# Altium PCB PCB.PcbDoc (part 2 of 2)
Units mil, origin at the board's own origin, x right, y up, seen from the top; angles counter-clockwise.
Board outline 2366.65 x 2660 mil, 2 copper layers (Component Side, Solder Side), stack 63.78 mil thick; 114 components, 105 nets, 465 pads, 240 vias.
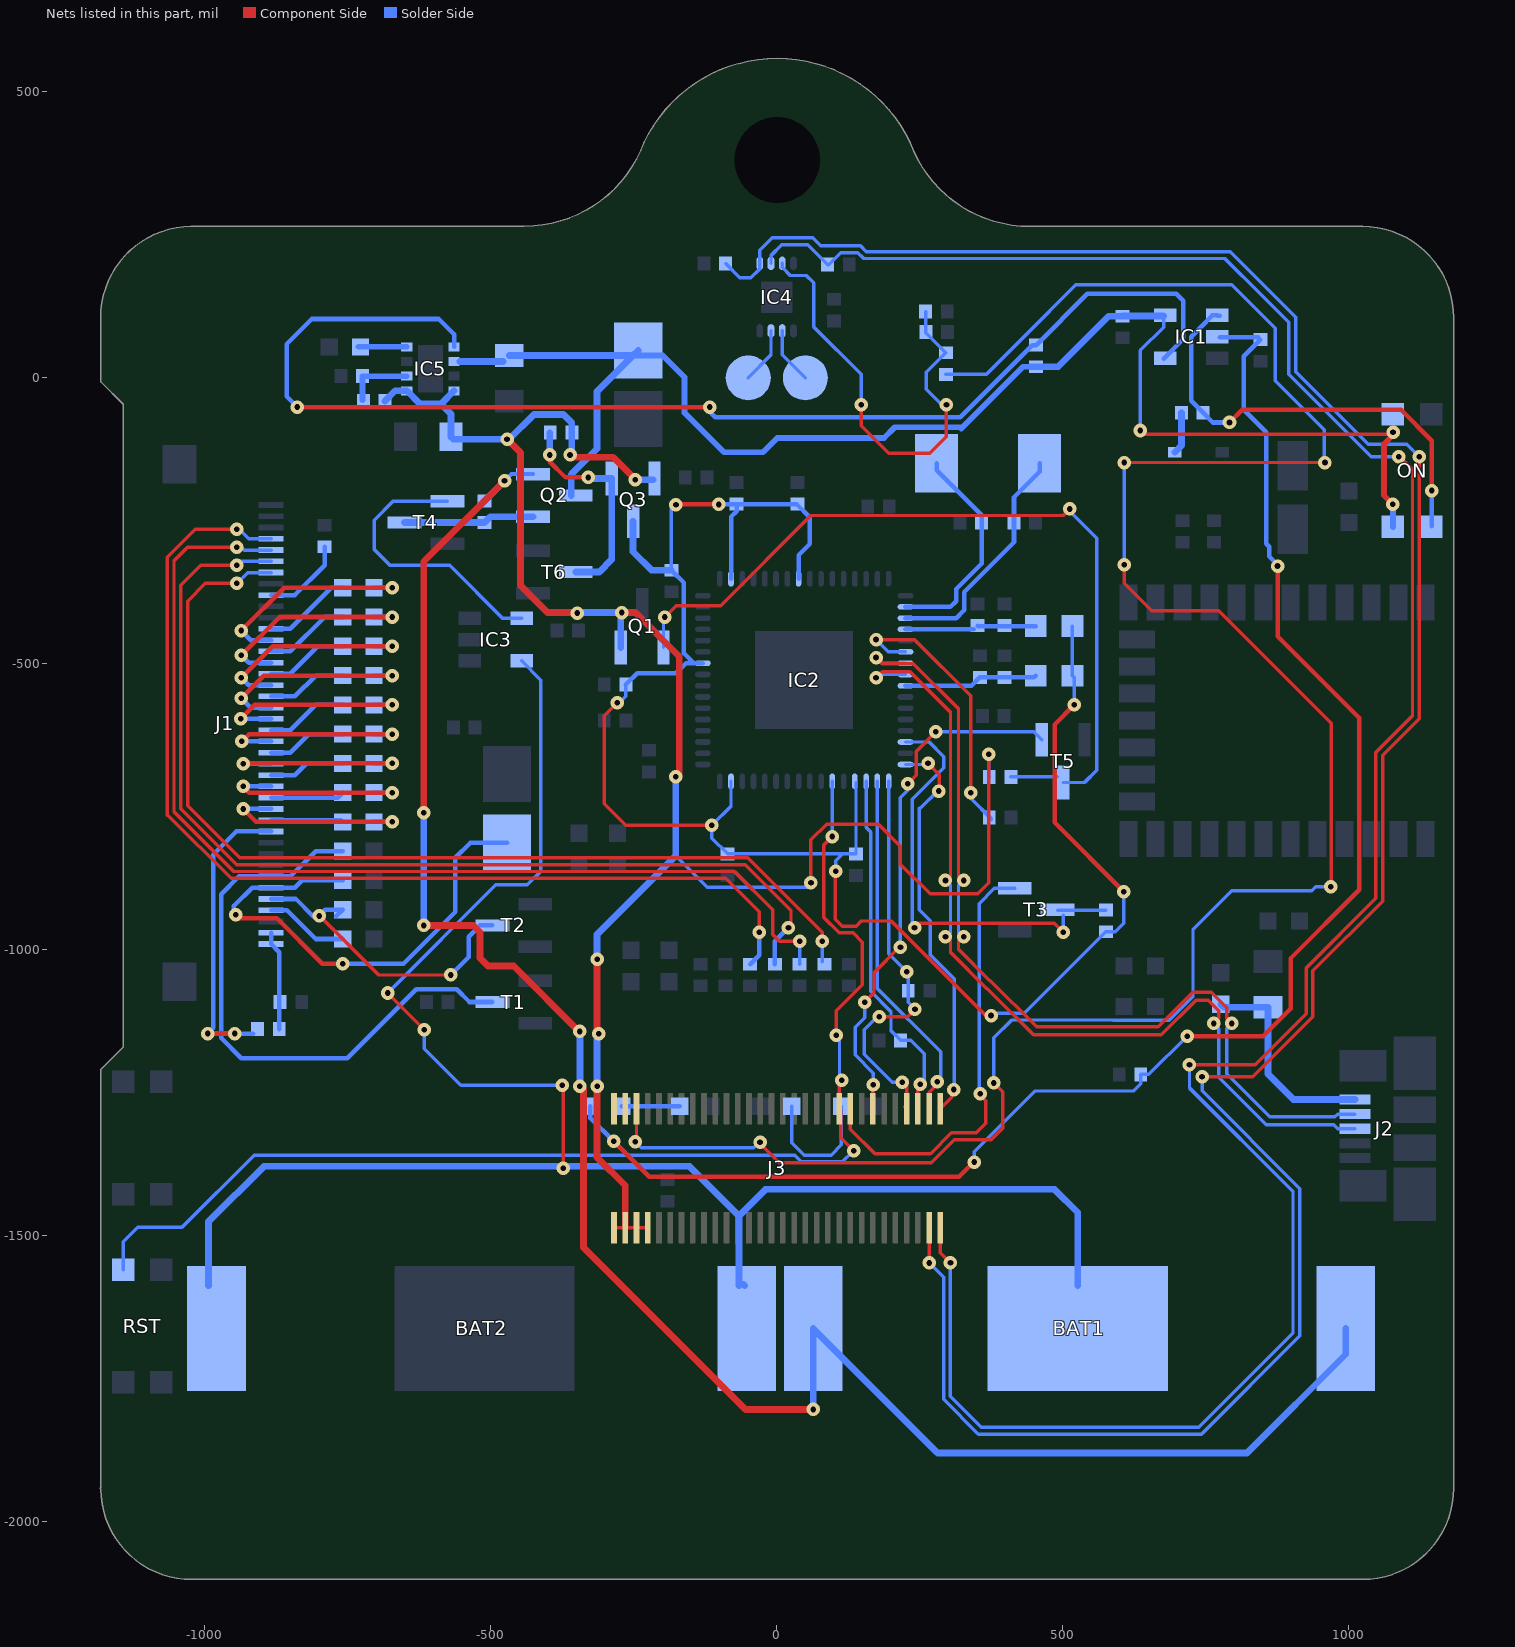
[diagram p2: the nets of this part, all layers, seen from the top]

## Via types
v1: diameter 23.62, hole 9.84, Component Side to Solder Side, 148 vias
v2: diameter 23.62, hole 9.84, Component Side to Solder Side, tented both sides, 92 vias

## Nets (pads, with @x,y where several pads share a name; then routed paths per layer and width w, separated by ;. In a path a pad name is that pad's centre, name@x,y a point inside that pad or via, vN(x,y) a via of type N, cw(c..) or ccw(c..) an arc to the next point about the centre after c; other vN are vias at no path point) (continued)
GPIO20: J3.6 R14.1 | length 3945.2
  Component Side w5.98: v1(-247,-1336) -245.06,-1334.06 J3.6@-245.06,-1277.75 ; v1@-31,-1337 4.28,-1372.28 270.72,-1372.28 310.71,-1332.29 375.71,-1332.29 395.72,-1312.28 395.72,-1248.72 v1(380,-1233) v1@380,-1241 ; v1(608,-327) 608,-359 656,-407 773,-407 970,-604 970,-889 v1(969,-890) ; v1(608,-148) v1(959,-148)
  Solder Side w5.98: v1(-247,-1336) -237,-1346 -40,-1346 v1@-31,-1337 ; R14.1@296,6.1 367.1,6.1 432.65,71.65 432.65,72.28 523.37,163 796.19,163 872.11,87.08 872.11,-4.92 958,-90.81 v1@958,-147 ; v1(380,-1233) 380,-1153.86 411,-1122.86 588.32,-1122.86 588.67,-1123.21 686.97,-1123.21 728.11,-1082.08 728.11,-964.89 796,-897 936,-897 943,-890 v1(969,-890) v1@970,-891 ; v1(608,-327) v1(608,-148)
  other v1: -29.03,-1337
GPIO21: J3.4
GPIO22: J3.2
NetA1_1: A1.1 IC4.2 | length 99
  Solder Side w5.98: IC4.2@9.84,82.16 9.84,40.55 A1.1@50.39,0
NetA1_2: A1.2 IC4.3 | length 98.6
  Solder Side w5.98: A1.2@-49.61,0 -49.61,0.39 -9.84,40.16 IC4.3@-9.84,82.16
NetC1_2: C1.2 J1.9 | length 147.5
  Solder Side w7.87: J1.9@-884,-379.81 -842.48,-379.81 -790.34,-327.66 C1.2@-790.34,-295.38
NetC2_1: C2.1 J1.13 | length 385.2
  Component Side w8: v2(-936.01,-441.83) -861.2,-367.03 v2(-672.23,-367.03)
  Solder Side w8: v2(-936.01,-441.83) -919.3,-458.55 J1.13@-884,-458.55 ; C2.1@-703.78,-367.03 v2(-672.23,-367.03)
NetC2_2: C2.2 J1.12 | length 155
  Solder Side w8: J1.12@-884,-438.86 -850.36,-438.86 -778.53,-367.03 C2.2@-758.78,-367.03
NetC3_1: C3.1 J1.15 | length 380.4
  Component Side w8: v2(-936.01,-485.14) -869.08,-418.21 v2(-672.23,-418.21)
  Solder Side w8: v2(-936.01,-485.14) -923.23,-497.92 J1.15@-884,-497.92 ; C3.1@-703.78,-418.21 v2(-672.23,-418.21)
NetC3_2: C3.2 J1.14 | length 150.1
  Solder Side w8: J1.14@-884,-478.23 -850.36,-478.23 -790.34,-418.21 C3.2@-758.78,-418.21
NetC4_1: C4.1 J1.17 | length 375.5
  Component Side w8: v2(-936.01,-524.51) -880.89,-469.39 v2(-672.23,-469.39)
  Solder Side w8: v2(-936.01,-524.51) -923.23,-537.29 J1.17@-884,-537.29 ; C4.1@-703.78,-469.39 v2(-672.23,-469.39)
NetC4_2: C4.2 J1.16 | length 145.2
  Solder Side w8: J1.16@-884,-517.6 -850.36,-517.6 -802.15,-469.39 C4.2@-758.78,-469.39
NetC5_1: C5.1 J1.19 | length 370.6
  Component Side w8: v2(-936.01,-559.94) -896.63,-520.57 v2(-672.23,-520.57)
  Solder Side w8: v2(-936.01,-559.94) -919.3,-576.66 J1.19@-884,-576.66 ; C5.1@-703.78,-520.57 v2(-672.23,-520.57)
NetC5_2: C5.2 J1.18 | length 140.3
  Solder Side w8: J1.18@-884,-556.97 -842.48,-556.97 -806.09,-520.57 C5.2@-758.78,-520.57
NetC6_1: C6.1 J1.20 | length 359.5
  Component Side w8: v2(-936.97,-596.34) -912.39,-571.76 v2(-672.23,-571.76)
  Solder Side w8: v2(-936.97,-596.34) J1.20@-884,-596.34 ; C6.1@-703.78,-571.76 v2(-672.23,-571.76)
NetC6_2: C6.2 J1.21 | length 143.6
  Solder Side w8: J1.21@-884,-616.03 -850.36,-616.03 -806.09,-571.76 C6.2@-758.78,-571.76
NetC7_1: C7.1 J1.22 | length 350.7
  Component Side w8: v2(-935.04,-635.71) -922.27,-622.94 v2(-672.23,-622.94)
  Solder Side w8: v2(-935.04,-635.71) J1.22@-884,-635.71 ; C7.1@-703.78,-622.94 v2(-672.23,-622.94)
NetC7_2: C7.2 J1.23 | length 138.7
  Solder Side w8: J1.23@-884,-655.4 -850.36,-655.4 -817.9,-622.94 C7.2@-758.78,-622.94
NetC8_1: C8.1 J1.24 | length 341.8
  Component Side w8: v2(-933.04,-675.08) -932.07,-674.12 v2(-672.23,-674.12)
  Solder Side w8: v2(-933.04,-675.08) J1.24@-884,-675.08 ; C8.1@-703.78,-674.12 v2(-672.23,-674.12)
NetC8_2: C8.2 J1.25 | length 133.8
  Solder Side w8: J1.25@-884,-694.77 -842.48,-694.77 -821.83,-674.12 C8.2@-758.78,-674.12
NetC9_1: C9.1 J1.26 | length 345.9
  Component Side w8: v2(-933.04,-714.45) -922.19,-725.3 v2(-672.23,-725.3)
  Solder Side w8: v2(-933.04,-714.45) J1.26@-884,-714.45 ; C9.1@-703.78,-725.3 v2(-672.23,-725.3)
NetC9_2: C9.2 J1.27 | length 128.9
  Solder Side w8: J1.27@-884,-734.14 -767.62,-734.14 C9.2@-758.78,-725.3
NetC10_1: C10.1 J1.28 | length 350.8
  Component Side w8: v2(-933.04,-753.82) -910.38,-776.48 v2(-672.23,-776.48)
  Solder Side w8: v2(-933.04,-753.82) J1.28@-884,-753.82 ; C10.1@-703.78,-776.48 v2(-672.23,-776.48)
NetC10_2: C10.2 J1.29 | length 122.2
  Solder Side w8: J1.29@-884,-773.51 C10.2@-761.76,-773.51
NetC11_2: C11.2 J1.39 J1.40 R1.1 | length 174.2
  Solder Side w8: J1.39@-884,-970.36 J1.40@-884,-990.04 -869.87,-1004.18 R1.1@-869.87,-1138.69
NetC17_2: C17.2 IC5.8 | length 84.6
  Solder Side w10: C17.2@-731.22,54.23 IC5.8@-646.64,54.23
NetC33_2: C33.2 C34.2 IC2.9 L1.2 | length 235.1
  Solder Side w8: IC2.9@225.41,-538.29 340.76,-538.29 C34.2@355.33,-523.72 C33.2@398.64,-523.72 450.02,-523.72 L1.2@453.17,-520.57
NetC36_1: C36.1 J2.1 L2.2 | length 372.1
  Solder Side w11.81: C36.1@776.59,-1095.32 781.85,-1100.57 L2.2@859.27,-1100.57 859.27,-1217.43 903.66,-1261.82 J2.1@1011.28,-1261.82
NetC37_2: C37.2 C38.2 IC2.4 L3.2 | length 221.4
  Solder Side w8: IC2.4@225.41,-439.87 C37.2@344.7,-439.87 ; C37.2@351.39,-433.17 352.18,-433.96 L3.2@453.17,-433.96
NetC41_2: C41.2 IC2.2 Y1.2 | length 384.8
  Solder Side w8: IC2.2@225.41,-400.5 304.02,-400.5 313.87,-390.65 313.87,-369.15 358.48,-324.53 C41.2@358.48,-252.86 358.48,-240.26 279.82,-161.6 Y1.2@279.82,-149.43
NetC42_2: C42.2 IC2.3 Y1.1 | length 419.7
  Solder Side w8: IC2.3@225.41,-420.18 313.99,-420.18 327.77,-406.4 327.77,-374.91 415.17,-287.5 C42.2@415.17,-252.86 415.17,-208.76 459.82,-164.12 Y1.1@459.82,-149.43
NetD3_C: D3.C R29.2 | length 73.8
  Solder Side w11.81: D3.C@696.46,-130 708.1,-118.36 R29.2@708.1,-61
NetIC2_6: IC2.6 R19.2 | length 498.4
  Component Side w5.98: v2(173.91,-457.58) 241.16,-457.58 339.58,-556.01 v2(339.58,-725.3)
  Solder Side w5.98: v2(173.91,-457.58) 195.57,-479.24 IC2.6@225.41,-479.24 ; v2(339.58,-725.3) 339.58,-735.14 375.8,-771.36 R19.2@375.8,-772.54
NetIC2_14: IC2.14 R18.2 T3.3 | length 793.7
  Component Side w5.98: v1@245.09,-953.65 241.16,-957.58 v1(241.16,-961.52) 249.03,-953.65 485.25,-953.65 v2(501,-969.39)
  Solder Side w5.98: IC2.14@225.41,-636.72 266.75,-636.72 292.34,-662.31 292.34,-681.99 237.22,-737.11 237.22,-957.58 v1(241.16,-961.52) ; T3.3@491.94,-930.81 R18.2@575.8,-930.81 ; v2(501,-969.39) T3.3@501,-939.87
NetIC3_4: IC3.4 T4.1 | length 500.6
  Solder Side w6.3: T4.1@-575.77,-215.46 -670.26,-215.46 -703.72,-248.92 -703.72,-300.1 -676.17,-327.66 -571.83,-327.66 -479.31,-420.18 IC3.4@-445.85,-420.18
NetIC5_6: IC5.6 R11.1 R12.1 | length 119.3
  Solder Side w10: R11.1@-724.2,-38.68 R12.1@-724.2,3.05 IC5.6@-646.64,3.05
NetJ1_30: J1.30 R1.2 | length 514.5
  Component Side w7.87: v2(-995.06,-1146.56) v2@-987.19,-1146.56
  Component Side w8: v2@-987.19,-1146.56 v2(-947.82,-1146.56)
  Solder Side w7.87: v2(-995.06,-1146.56) -985.28,-1136.78 -985.28,-833.63 -944.85,-793.19 J1.30@-884,-793.19 ; v2(-947.82,-1146.56) R1.2@-915.53,-1146.56
NetQ1_1: Q1.1 R30.2 T5.3 | length 1466.6
  Component Side w5.98: v1(-195.85,-418.21) -175.78,-398.15 -97.96,-398.15 59.53,-240.65 501.39,-240.65 v1(512.81,-229.24)
  Solder Side w5.98: Q1.1@-197.82,-471.36 -197.82,-420.18 v1(-195.85,-418.21) ; R30.2@409.66,-697.74 T5.3@491.16,-697.74 ; T5.3@501,-707.58 538.4,-707.58 559.98,-686.01 559.98,-280.34 512.81,-233.17 v1(512.81,-229.24)
NetQ2_1: Q2.1 R27.1 T4.3 | length 228.5
  Solder Side w11.81: T4.3@-650.57,-252.86 R27.1@-510.81,-252.86 -500.97,-243.02 Q2.1@-426.17,-243.02
NetQ3_1: Q3.1 R36.1 T6.3 | length 384.6
  Component Side w8: v1(-396.64,-134.75) -396.64,-146.56 -369.08,-174.12 v1(-329.71,-174.12)
  Solder Side w11.81: v1(-396.64,-134.75) R36.1@-396.64,-96.17 ; T6.3@-351.36,-339.47 -310.02,-339.47 -288.37,-317.82 Q3.1@-288.37,-176.09 -327.74,-176.09 v1(-329.71,-174.12)
NetR20_1: R20.1 USB.A | length 234.3
  Solder Side w5.98: USB.A@26.59,-1273.81 26.59,-1337.5 48.24,-1359.16 95.49,-1359.16 113.32,-1341.32 R20.1@113.32,-1273.81
NetR39_1: R39.1 SYS.A | length 101
  Solder Side w7.87: R39.1@-270.5,-1273.81 SYS.A@-169.5,-1273.81
NFC_INT: IC4.7 R14.2 R28.2 R31.1 | length 809.2
  Component Side w5.98: v1(148,-47) 148,-84 196,-132 268,-132 297,-103 v1(297,-47)
  Solder Side w5.98: IC4.7@9.84,200.27 9.84,193.12 23.96,179 52,179 65,166 65,89 148,6 v1(148,-47) ; R31.1@260.5,116.1 261.1,115.5 R28.2@261.1,80 261.1,78.8 R14.2@296,43.9 262,9.9 262,-20 293,-51 v1(297,-47)
ON/OFF: IC1.1 ON.2 R29.1 | length 795.6
  Component Side w8: v1(792,-78) 814,-56 1092,-56 1146,-110 v1(1146,-197)
  Solder Side w8: IC1.1@770.28,108.4 IC1.1@775.21,108.4 ; IC1.1@770.28,109.4 762.17,109.4 740.68,87.91 740.68,87.68 725,72 725,-40.1 R29.1@745.9,-61 762.9,-78 v1(792,-78) ; ON.2@1146,-259.43 v1(1146,-197)
PMU_OUT0: J3.44 T3.2 | length 772.8
  Component Side w5.98: J3.44@128.95,-1277.75 128.95,-1313.88 172.07,-1357 269.19,-1357 305.78,-1320.4 348.78,-1320.4 366,-1303.19 366,-1264 356,-1254 v1(356,-1252)
  Solder Side w5.98: v1@354.24,-1250.24 354.24,-919.3 380.92,-892.62 T3.2@416.35,-892.62
PMU_OUT1: J3.48 T5.1 | length 925.7
  Component Side w5.98: v1(154,-1092) 170.37,-1075.63 170.37,-1040.18 214.62,-995.93 v1(216.59,-995.93) ; v1(169,-1236) 168.32,-1236.68 J3.48@168.32,-1277.75 J3.48@170.37,-1275.7 ; v1(229.35,-709.55) 244.07,-694.83 244.07,-653.41 v1@278.38,-619.1
  Solder Side w5.98: v1(154,-1092) 154,-1119 137.18,-1135.82 137.18,-1184 169,-1215.81 v1(169,-1236) ; v1(216.59,-995.93) 216.51,-995.93 216.51,-734.2 229.35,-721.36 v1(229.35,-709.55) ; v1(278.38,-619.06) 449.88,-619.06 T5.1@463.6,-632.78
PWR_EN: IC1.4 IC5.1 R38.1 | length 2233.4
  Component Side w8: v1(-838,-51) v1(-117,-51)
  Solder Side w8: v1(-838,-51) -857,-32 -857,59 -813,103 -591,103 -563.96,75.96 IC5.1@-563.96,54.23 ; v1(-117,-51) -117,-59 -107,-69 321,-69 447.38,57.38 R38.1@453.76,57.38 543.38,147 699.21,147 711.09,135.12 711.09,67.91 IC1.4@676.79,33.6
RESET: J1.7 R7.2 | length 1778.3
  Component Side w5.98: v2(-943.88,-359.16) -999,-359.16 -1030.1,-390.26 -1030.1,-748.53 -939.16,-839.47 -50.18,-839.47 79.74,-969.39 v2(79.74,-985.14)
  Solder Side w5.98: v2(-943.88,-359.16) -925.16,-340.44 J1.7@-884,-340.44 ; R7.2@79.74,-1021.36 v2(79.74,-985.14)
SCL: IC4.6 J3.59 R33.1 | length 4183.7
  Component Side w5.98: J3.59@286.43,-1486.49 286.43,-1529.57 v1(304,-1547.13) ; v1(722,-1201) 837,-1201 926,-1112 926,-1032 1047.89,-910.11 1047.89,-655.11 1112,-591 1112,-160 v1@1088,-136
  Solder Side w5.98: IC4.6@-9.84,200.27 -9.84,214.05 9.1,233 54.1,233 R33.1@89.1,198 90.89,198 111.99,219.1 141.8,219.1 152.12,208.79 784.03,208.79 846.81,146 847,146 895.89,97.11 895.89,6.11 1040,-138 v1(1088,-138) ; v1(304,-1547.13) 304,-1781.19 357.92,-1835.11 738.08,-1835.11 903.11,-1670.08 903.11,-1422.92 722,-1241.81 v1(722,-1201)
SCLK: J1.4 R4.2 | length 1868.7
  Component Side w5.98: v2@-947.82,-260.73 v2(-943.88,-264.67) -1016.55,-264.67 -1065.77,-313.89 -1065.77,-764.67 -1064.4,-764.67 -953.93,-875.14 -89.31,-875.14 -30.5,-933.96 v2(-30.5,-969.39)
  Solder Side w5.98: v2(-943.88,-264.67) -939.95,-264.67 -923.23,-281.38 J1.4@-884,-281.38
  Solder Side w8: R4.2@-46.24,-1025.3 -30.5,-1009.55 v2(-30.5,-969.39)
SDA: IC4.5 J3.57 R32.1 | length 4332.8
  Component Side w5.98: v1(266.75,-1547.75) J3.57@266.75,-1486.49 ; v1(744,-1222) 832.81,-1222 937.89,-1116.92 937.89,-1036.92 1059.78,-915.04 1059.78,-660.19 1124,-595.97 v1(1124,-138)
  Solder Side w5.98: R32.1@-89.1,200 -64.1,175 -45,175 -29.53,190.47 IC4.5@-29.53,200.27 -29.53,223.47 -8,245 4.07,245 4.18,244.89 63.11,244.89 77.01,230.99 146.73,230.99 157.04,220.68 793.14,220.68 907.78,106.04 907.78,11.04 1034.81,-116 1102,-116 v1(1124,-138) ; v1(266.75,-1547.75) 292.03,-1573.03 292.03,-1786.03 353,-1847 743,-1847 915,-1675 915,-1418 744,-1247 v1(744,-1222)
SI: J1.5 R6.2 | length 1874
  Component Side w5.98: v2(-943.88,-296.16) -1030.26,-296.16 -1053.88,-319.79 -1053.88,-758.38 -949.01,-863.25 -73.65,-863.25 -6.87,-930.02 -6.87,-973.33 4.94,-985.14 v2(40.37,-985.14)
  Solder Side w5.98: v2(-943.88,-296.16) -936.01,-296.16 -931.11,-301.07 J1.5@-884,-301.07 ; R6.2@40.37,-1025.3 v2(40.37,-985.14)
SO: J1.6 R5.2 | length 1817.2
  Component Side w5.98: v2@-947.82,-323.72 v2(-943.88,-327.66) -1006.87,-327.66 -1041.99,-362.78 -1041.99,-753.45 -944.08,-851.36 -55.11,-851.36 24.62,-931.09 ; v2(20.69,-961.52) 25.11,-957.1 25.11,-931.57
  Solder Side w5.98: v2(-943.88,-327.66) -936.97,-320.75 J1.6@-884,-320.75
  Solder Side w8: R5.2@-2.94,-1025.3 -2.94,-985.14 v2(20.69,-961.52)
SOM_JTAG_TCK: IC2.16 J3.60 | length 704.7
  Component Side w5.98: v2(264.78,-674.12) 284.46,-693.8 284.46,-721.36 v2(283.36,-722.47) ; J3.60@286.43,-1277.75 306,-1258.18 306,-1251 309.48,-1247.52 v1(309.48,-1244.48)
  Solder Side w5.98: IC2.16@225.41,-676.09 262.81,-676.09 v2(264.78,-674.12) ; v2(283.36,-722.47) 281.63,-722.47 251.32,-752.78 249.11,-752.78 249.11,-930.02 268.72,-949.63 268.72,-1008.76 311,-1051.05 311,-1242.95 v1(309.48,-1244.48)
SOM_JTAG_TDI: IC2.17 J3.54 R17.2 | length 715
  Component Side w5.98: v1(179.19,-1116.95) 229.05,-1116.95 v1(242,-1104) ; v1(220,-1232) 227.38,-1239.38 J3.54@227.38,-1277.75 J3.54@224.39,-1274.75 ; v2@224.39,-1041.28 v2(227.38,-1038.29)
  Solder Side w5.98: v1(179.19,-1116.95) 175.24,-1113 175.24,-1117.76 153,-1140 153,-1183 202,-1232 v1(220,-1232) ; IC2.17@195.88,-705.61 195.88,-1006.8 v2(227.38,-1038.29) 230.13,-1041.05 R17.2@230.13,-1071.76 230.13,-1092.13 v1(242,-1104)
SOM_JTAG_TDO: IC2.18 J3.58 | length 628.1
  Component Side w6: J3.58@266.75,-1277.75 266.75,-1249.25 283,-1233 v1(281,-1231)
  Solder Side w6: IC2.18@176.2,-705.61 176.2,-1067.82 287,-1178.62 287,-1225 v1(281,-1231)
SOM_JTAG_TMS: IC2.19 J3.56 R16.2 | length 632
  Component Side w6: J3.56@247.06,-1277.75 247.06,-1238.94 v1(251,-1235)
  Solder Side w6: IC2.19@156.51,-705.61 156.51,-786.32 164.29,-794.1 164.29,-1072.75 200,-1108.46 200,-1141.62 R16.2@216.75,-1158.37 234.37,-1158.37 258,-1182 258,-1228 v1(251,-1235) v1@254,-1235
SOM_RST: IC2.22 J3.42 RST.2 | length 2151.3
  Component Side w5.98: v2@102.34,-806.95 v2(97.46,-802.07) 82.65,-816.87 82.65,-943.61 109.54,-970.5 133.75,-970.5 150,-986.74 150,-1061 104.58,-1106.42 v1(104.58,-1149.62) ; v1(114,-1228) 114,-1232 109.27,-1236.73 J3.42@109.27,-1277.75 112.32,-1280.8 112.32,-1328.75 v1(134.86,-1351.28)
  Solder Side w5.98: RST.2@-1142.7,-1559.95 -1142.7,-1510.73 -1117.11,-1485.14 -1039.81,-1485.14 -913.83,-1359.16 31.43,-1359.16 43.32,-1371.05 115.09,-1371.05 v1(134.86,-1351.28) ; v2(97.46,-802.07) IC2.22@97.46,-705.61 ; v1(104.58,-1149.62) 105.62,-1149.62 110,-1154 110,-1232 112,-1234 114,-1232 v1(114,-1228)
SYS_ON: IC1.2 R15.2 R35.2 R39.2 | length 2811.2
  Component Side w7.87: v1(-285,-1335) -223,-1397 319,-1397 344.71,-1371.29 v1(345.47,-1371.29) ; v1(718,-1151) 851,-1151 898.72,-1103.28 898.72,-1015.32 1018.72,-895.32 1018.72,-594.76 876,-452.04 v1(876,-329)
  Solder Side w5.91: v1(345.47,-1371.29) 345.47,-1353.3 451.62,-1247.15 624,-1247.15 636.9,-1234.25 R15.2@636.9,-1218 651,-1218 v1(718,-1151)
  Solder Side w7.87: R39.2@-325.5,-1273.81 -325.5,-1294.5 v1(-285,-1335) ; IC1.2@775.21,71 R35.2@841.9,71 ; R35.2@846,66.9 817,37.9 817,-56 856,-95 856,-289.83 861.24,-295.07 861.24,-312.24 876,-327 v1(876,-329)
USB_D_N: IC2.7 J2.2 | length 1614.1
  Component Side w5.98: v2(173.91,-489.08) 184.64,-499.81 239.07,-499.81 318.13,-578.86 318.13,-870.02 v2(326.94,-878.84) ; v2(326.94,-977.27) 318.13,-986.09 318.13,-999 373.03,-1053.91 373.91,-1053.91 455.02,-1135.02 667.03,-1135.02 727.57,-1074.48 760.27,-1074.48 787,-1101.21 787,-1120.18 v1(795.82,-1129)
  Solder Side w5.98: v2(173.91,-489.08) 183.76,-498.92 IC2.7@225.41,-498.92 ; v2(326.94,-977.27) 326,-977.27 318.13,-969.39 318.13,-887.66 v2(326.94,-878.84) ; v1(795.82,-1129) 787,-1137.82 787,-1217 862.13,-1292.13 976.31,-1292.13 981.03,-1287.41 J2.2@1011.28,-1287.41
USB_D_P: IC2.8 J2.3 | length 1606.9
  Component Side w5.98: v2(173.91,-524.51) 184.64,-513.78 233.28,-513.78 304.15,-584.65 304.15,-870.02 v2(295.33,-878.84) ; v2(295.33,-977.27) 304.15,-986.09 304.15,-1004.79 367.24,-1067.88 368.12,-1067.88 449.23,-1149 672.81,-1149 733.36,-1088.45 754.48,-1088.45 773.02,-1107 773.02,-1120.18 v1(764.2,-1129)
  Solder Side w5.98: v2@177.97,-518.61 IC2.8@225.41,-518.61 ; v2(295.33,-977.27) 296.28,-977.27 304.15,-969.39 304.15,-887.66 v2(295.33,-878.84) ; v1(764.2,-1129) 773.02,-1137.82 773.02,-1222.79 856.34,-1306.11 974.14,-1306.11 981.03,-1313 J2.3@1011.28,-1313
VBAT: BAT1.+ Q2.2 R27.2 | length 3496.4
  Component Side w11.81: v2(-617.11,-957.58) -530.5,-957.58 -518.68,-969.39 -518.68,-1014.61 -504.85,-1028.45 -459.63,-1028.45 v1@-344.54,-1143.54 ; v2(-617.11,-760.73) -617.11,-321.36 v2(-475.77,-180.02) ; v1(-344,-1239) -342,-1239 -337.58,-1243.42 -337.58,-1520.58 -54.12,-1804.04 v1(63.99,-1804.04)
  Solder Side w7: v2(-475.77,-180.02) -463.96,-168.21 Q2.2@-426.17,-168.21
  Solder Side w11.81: v2(-617.11,-957.58) v2(-617.11,-760.73) ; R27.2@-510.81,-215.06 v2(-475.77,-180.02) ; v1(-344,-1239) v1(-344,-1143) ; v1(63.99,-1804.04) BAT1.+@63.99,-1662.31 281.69,-1880 822.68,-1880 995.29,-1707.39 BAT1.+@995.29,-1662.31
VBAT/2: BAT1.- BAT2.+ IC3.5 | length 3273.4
  Component Side w5.98: v1(-680.1,-1075.69) -680.1,-1075.9 v1(-616,-1140) ; v1(-375,-1237) -373,-1239 v1(-373,-1382) v1@-374,-1381
  Solder Side w5.91: v1(-616,-1140) -616,-1173 -552,-1237 v1(-375,-1237)
  Solder Side w5.98: v1(-680.1,-1075.69) -491.13,-886.72 -435.85,-886.72 -412.39,-863.25 -412.39,-528.45 IC3.5@-445.85,-494.98
  Solder Side w11.81: BAT2.+@-993.29,-1587.5 -993.29,-1475.5 -896.64,-1378.84 -152.54,-1378.84 -65.93,-1465.46 ; BAT2.+@-65.93,-1587.5 -65.93,-1465.46 ; BAT2.+@-58.06,-1585.34 BAT2.+@-55.89,-1587.5 ; BAT1.-@526.59,-1587.5 526.59,-1459.55 486.04,-1419 -19.47,-1419 -65.93,-1465.46
VBAT_M: C16.2 C21.2 D2.C IC1.5 IC5.2 ON.1 ON.3 Q2.3 R38.2 | length 2571.3
  Component Side w6.14: v1(636,-92) 642.79,-98.79 1074.21,-98.79 v1(1078,-95)
  Component Side w10: v1(1077.77,-221.23) 1062,-205.46 1062,-116.1 1078,-100.1 v1(1078,-95)
  Solder Side w5.91: v1(636,-92) 636,48 676.79,88.79 IC1.5@676.79,108.4
  Solder Side w10: D2.C@-250.93,39.11 -199.11,39.11 -161,1 -161,-61 -92,-130 -24,-130 1,-105 187.87,-105 206.59,-86.28 320.67,-86.28 322.82,-88.43 430.84,19.58 R38.2@443.91,19.58 ; ON.1@1077.77,-260.73 v1(1077.77,-221.23)
  Solder Side w11.81: -554,28.64 C16.2@-477.98,28.64 ; C16.2@-467.5,39.11 D2.C@-250.93,39.11 ; Q2.3@-359.24,-205.61 -359.24,-169.2 -314,-123.96 -314,-23.96 D2.C@-250.93,39.11 ; D2.C@-242,48.04 D2.C@-250.93,39.11 ; R38.2@443.91,19.58 R38.2@453.76,19.58 492.58,19.58 580.9,107.9 C21.2@605,107.9 ; C21.2@605.5,108.4 IC1.5@676.79,108.4
VCC: C18.2 IC5.4 IC5.5 J3.1 J3.3 J3.5 J3.7 Q1.2 Q3.2 R11.2 R30.1 R36.2 | length 3464.8
  Component Side w5.98: J3.1@-284.43,-1486.49 J3.3@-264.75,-1486.49 J3.5@-245.06,-1486.49 J3.7@-225.38,-1486.49 ; v1(60.06,-882.78) 60.06,-807.97 87.61,-780.42 178.17,-780.42 216.51,-818.76 216.51,-850.26 268.72,-902.46 351.39,-902.46 371.08,-882.78 v1(371.08,-658.37)
  Component Side w11.81: v1(-471.44,-107.19) -447.82,-130.81 -447.82,-363.09 -400.57,-410.34 v1@-350.17,-410.34 ; v1(-361.2,-134.75) -361.2,-138.68 -286.4,-138.68 v1(-247.03,-178.06) ; v1@-350.17,-411.17 v1(-348.5,-411.17) ; v1(-313.96,-1239.04) -313.96,-1363.1 -264.75,-1412.31 J3.3@-264.75,-1486.49 ; v1(-313.96,-1016.64) -313.96,-1144.04 v1(-311,-1147) ; v1(-270.65,-410.34) -247.03,-410.34 -170.26,-487.11 -170.26,-691.83 v1(-176.17,-697.74)
  Solder Side w5.98: -176.17,-835.54 -121.05,-890.65 v1@60.06,-890.65 ; v1(371.08,-658.37) 371.08,-696.95 R30.1@371.87,-697.74
  Solder Side w11.81: R11.2@-684.83,-40.26 -667.11,-22.54 IC5.5@-646.64,-22.54 -623.61,-45.57 -586.99,-45.57 ; IC5.4@-563.96,-22.54 -586.99,-45.57 ; v1(-361.2,-134.75) -358.06,-131.6 R36.2@-358.06,-95.38 -358.06,-78.84 -373.02,-63.88 -424.2,-63.88 -467.5,-107.19 v1(-471.44,-107.19) -565.3,-107.19 C18.2@-569.24,-103.25 -569.24,-63.33 -586.99,-45.57 ; v1(-348.5,-411.17) -347.67,-410.34 v1(-270.65,-410.34) ; v1(-313.96,-1239.04) -313.96,-1149.96 v1(-311,-1147) ; v1(-313.96,-1016.64) -313.96,-973.33 -176.17,-835.54 v1(-176.17,-697.74) ; Q1.2@-272.62,-471.36 v1@-272.62,-412.31 ; v1(-247.03,-178.06) Q3.2@-215.54,-178.06
VCC_FT: C25.2 C26.2 C27.2 C28.2 C29.2 C44.2 IC2.50 IC2.VCCIO L1.1 L3.1 Q3.3 R18.1 | length 3359.6
  Component Side w5.98: v1(-278.53,-567.82) -301.63,-590.92 -301.63,-744.44 -263.44,-782.63 v1(-113.17,-782.63) ; v1(103.36,-863.09) 102.34,-864.12 102.34,-946.48 114.47,-958.61 139,-958.61 147.81,-949.79 200.14,-949.79 365.42,-1115.06 v1(375.02,-1115.06)
  Component Side w7.87: v1(-176,-222) -175.36,-221.36 v1(-101.36,-221.36) ; v1(520.68,-571.76) 486.27,-606.17 486.27,-777.5 v1(607.3,-898.53)
  Solder Side w5.91: C44.2@-184.04,-336.32 -184.04,-230.04 v1(-176,-222)
  Solder Side w5.98: v1(-278.53,-567.82) -274.59,-567.82 -263.57,-556.8 C28.2@-263.57,-536.32 ; IC2.VCCIO@-79.71,-705.61 -79.71,-749.16 v1(-113.17,-782.63) -113.17,-804.83 C25.2@-85.61,-832.39 115.17,-832.39 ; v1(103.36,-863.09) 103.36,-844.2 115.17,-832.39 ; IC2.VCCIO@138.8,-707.58 C27.2@138.8,-832.39 115.17,-832.39 ; v1(375.02,-1115.06) 379.11,-1110.97 433.44,-1110.97 R18.1@575.8,-968.61 592.34,-968.61 607.3,-953.65 v1(607.3,-898.53) ; L3.1@517.34,-433.96 L1.1@517.34,-520.57 520.68,-523.92 v1(520.68,-571.76)
  Solder Side w7.87: C28.2@-263.57,-536.32 -243.88,-516.64 -176.17,-516.64 -158.45,-498.92 -144.67,-498.92 ; C44.2@-184.04,-336.32 -161.99,-358.37 -161.99,-389.42 ; -162,-389.42 -162,-481.59 -144.67,-498.92 ; IC2.VCCIO@-128.92,-498.92 -144.67,-498.92 ; v1(-101.36,-221.36) C29.2@-69.87,-221.36 ; IC2.50@-79.71,-351.28 -79.71,-243.02 -69.87,-233.17 C29.2@-69.87,-221.36 ; C29.2@-69.87,-220.57 C29.2@-69.87,-221.36 ; IC2.VCCIO@38.4,-351.28 38.4,-309.94 57.92,-290.42 57.92,-243.64 35.65,-221.36 C29.2@-69.87,-221.36
  Solder Side w11.81: Q3.3@-250.97,-250.89 -250.97,-304.04 -218.68,-336.32 C44.2@-184.04,-336.32
VDH: C14.2 J1.36 T2.3 | length 559.9
  Component Side w5.98: v2(-800,-941) -799.05,-941 -695.85,-1044.2 v2(-569.87,-1044.2)
  Solder Side w8: J1.36@-884,-911.3 -840.56,-911.3 -810.86,-941 v2(-800,-941) -789.02,-930.02 C14.2@-758.78,-930.02 C14.2@-769.76,-941 ; v2(-569.87,-1044.2) -538.37,-1012.7 -538.37,-977.27 -518.69,-957.58 T2.3@-497.03,-957.58
VDL: C15.2 J1.37 | length 146
  Solder Side w8: J1.37@-884,-930.99 -856.3,-930.99 -806.09,-981.2 C15.2@-758.78,-981.2
VGH: C12.2 J1.34 T1.3 | length 1043.6
  Solder Side w8: C12.2@-758.78,-827.66 -806.09,-827.66 -850.36,-871.93 J1.34@-884,-871.93 -940.67,-871.93 -971.44,-902.7 -971.44,-1154.43 -936.01,-1189.87 -750.97,-1189.87 -630.43,-1069.33 -559.27,-1069.33 -537.16,-1091.44 T1.3@-497.03,-1091.44
VGL: C13.2 D1.A J1.35 | length 877.8
  Component Side w8: v1(-946,-939) -946,-945 -873.79,-945 -794.28,-1024.51 v2(-758.84,-1024.51)
  Solder Side w8: v1@-949,-932 -949,-923.33 -917.29,-891.62 J1.35@-884,-891.62 -842.48,-891.62 -829.71,-878.84 C13.2@-758.78,-878.84 ; v1(-946,-939) v1@-946,-935 ; v2(-758.84,-1024.51) -652.54,-1024.51 -561.99,-933.96 -561.99,-839.47 -535.42,-812.9 D1.A@-471.44,-812.9
pads on no net: IC2.21 IC2.23 IC2.24 IC2.30 IC2.33 IC2.34 IC2.36 IC2.40 IC2.41 IC2.43 IC2.44 IC2.45 IC2.46 IC2.53 IC2.54 IC2.55 IC2.57 IC2.58 IC2.59 IC2.60 IC2.61 IC2.62 IC2.63 IC3.1 IC4.1 IC4.9 IC5.7 J1.10 J1.11 J1.g1 J1.g2 J2.M J3.17 J3.19 J3.27 J3.29 J3.31 J3.33 J3.35 J3.43 J3.45 J3.47 J3.49 J3.51 M1.2 M1.3 M1.4 M1.7 M1.8 M1.9 M1.10 M1.11 M1.13 M1.14 M1.15 M1.16 M1.17 M1.18 M1.19 M1.25 M1.26 M1.27 M1.28 ON.4 RST.4 WAKE.4

## Polygon pours and split planes (outlines as drawn)
GND on Component Side "Solder Side-No Net" (solid, pour order 12): -1180.1,-1941.83 -1180.1,-1210.5 -1140.73,-1171.13 -1140.73,-45.14 -1180.1,-5.77 -1180.1,105.41 cw(c-1022.62,105.41) -1022.62,262.89 -1022.62,263.38 -440.93,263.38 ccw(c-440.93,487.77) -230.07,411.02 cw(c0.89,300.82) 232.07,410.54 ccw(c442.93,487.28) 442.93,262.89 1024.62,262.89 cw(c1024.62,105.41) 1182.1,105.41 1182.1,-1941.83 cw(c1024.62,-1941.83) 1024.62,-2099.31 -1022.62,-2099.31 cw(c-1022.62,-1941.83)
no net on Top Solder "AntmicroLogo" (solid, pour order 56): 969.64,-1390.11 967.27,-1383.62 965.81,-1376.28 965.31,-1368.2 965.81,-1360.13 967.29,-1352.81 969.68,-1346.35 972.95,-1340.83 977.03,-1336.36 981.89,-1333.05 987.48,-1330.99 993.74,-1330.28 1003.03,-1331.53 1010.19,-1335.02 1007.33,-1342.11 1004.93,-1340.61 1002.11,-1339.45 999.01,-1338.69 995.77,-1338.43 987.99,-1340.66 982.28,-1346.86 978.76,-1356.22 977.56,-1367.94 978.78,-1379.57 982.33,-1388.98 988.05,-1395.28 995.77,-1397.58 998.99,-1397.33 1002.04,-1396.63 1004.81,-1395.51 1007.19,-1394.05 1010.19,-1401.52 1003.03,-1405.02 993.74,-1406.28 987.44,-1405.56 981.84,-1403.49 976.97,-1400.15 972.89,-1395.66
no net on Top Solder "AntmicroLogo" (solid, pour order 51): 659.87,-1393.72 657.98,-1384.11 658.78,-1377.98 661.07,-1372.79 664.74,-1368.47 669.64,-1364.95 675.65,-1362.15 682.65,-1360 690.49,-1358.42 699.04,-1357.33 699.04,-1352.84 698.79,-1349.32 698.03,-1346.32 696.78,-1343.81 695.05,-1341.79 692.84,-1340.24 690.15,-1339.15 687.01,-1338.51 683.41,-1338.3 673.72,-1339.59 665.05,-1342.92 662.2,-1335.59 672.68,-1331.75 684.5,-1330.28 695.23,-1331.7 703.31,-1336.05 708.42,-1343.47 710.2,-1354.07 710.2,-1401.11 699.51,-1404.87 685.86,-1406.28 674.1,-1404.86 665.34,-1400.65
no net on Top Solder "AntmicroLogo" (solid, pour order 60): 319 vertices, not listed, extent 451.33,-1472.85 634.96,-1262.52
no net on Top Solder "AntmicroLogo" (solid, pour order 59): 205 vertices, not listed, extent 509.58,-1410.76 576.7,-1324.6
no net on Top Solder "AntmicroLogo" (solid, pour order 54): 843.76,-1405.02 ccw(c843.76,-1404.91) 843.87,-1404.91 843.87,-1340.42 850.08,-1338.55 857.49,-1337.99 861.26,-1338.24 864.46,-1338.98 867.11,-1340.18 869.24,-1341.8 870.85,-1343.81 871.99,-1346.18 872.65,-1348.89 872.87,-1351.9 872.87,-1404.91 ccw(c872.99,-1404.91) 872.99,-1405.02 884.82,-1405.02 ccw(c884.82,-1404.91) 884.93,-1404.91 884.93,-1344.87 887.77,-1342.04 891.09,-1339.87 894.86,-1338.48 899.1,-1337.99 902.81,-1338.27 905.94,-1339.11 908.52,-1340.46 910.58,-1342.29 912.15,-1344.57 913.23,-1347.27 913.87,-1350.36 914.08,-1353.8 914.08,-1353.81 914.08,-1353.8 914.08,-1404.91 ccw(c914.19,-1404.91) 914.19,-1405.02 926.02,-1405.02 ccw(c926.02,-1404.91) 926.13,-1404.91 926.13,-1353.94 ccw(c926.02,-1353.94) 926.13,-1353.92 924.61,-1344.31 ccw(c924.5,-1344.33) 924.6,-1344.27 ccw(c924.5,-1344.33) 924.6,-1344.27 919.93,-1336.79 ccw(c919.83,-1336.85) 919.93,-1336.79 ccw(c919.83,-1336.85) 919.89,-1336.76 ccw(c919.83,-1336.85) 919.89,-1336.76 911.85,-1331.91 cw(c911.8,-1332) 911.85,-1331.91 ccw(c911.8,-1332) 911.81,-1331.89 900.2,-1330.17 ccw(c900.19,-1330.28) 900.18,-1330.17 ccw(c900.19,-1330.28) 900.18,-1330.17 893.9,-1330.76 893.89,-1330.76 cw(c893.91,-1330.87) 893.9,-1330.76 ccw(c893.91,-1330.87) 893.87,-1330.76 888.18,-1332.46 ccw(c888.21,-1332.57) 888.16,-1332.47 883.19,-1335.16 ccw(c883.24,-1335.26) 883.17,-1335.18 ccw(c883.24,-1335.26) 883.17,-1335.18 879.11,-1338.69 875.28,-1335.07 cw(c875.2,-1335.15) 875.28,-1335.07 ccw(c875.2,-1335.15) 875.26,-1335.05 ccw(c875.2,-1335.15) 875.26,-1335.05 cw(c875.2,-1335.15) 875.28,-1335.07 875.26,-1335.05 870.49,-1332.37 ccw(c870.44,-1332.47) 870.49,-1332.37 ccw(c870.43,-1332.47) 870.46,-1332.36 864.53,-1330.72 ccw(c864.5,-1330.83) 864.51,-1330.72 ccw(c864.5,-1330.83) 864.51,-1330.72 857.09,-1330.17 cw(c857.08,-1330.28) 857.09,-1330.17 ccw(c857.08,-1330.28) 857.07,-1330.17 843.42,-1331.57 ccw(c843.43,-1331.69) 843.4,-1331.58 831.89,-1335.33 ccw(c831.93,-1335.44) 831.81,-1335.44 831.81,-1404.91 ccw(c831.93,-1404.91) 831.93,-1405.02
no net on Top Solder "AntmicroLogo" (solid, pour order 53): 800.88,-1400.89 797.31,-1395.1 796.04,-1387.11 796.04,-1339.11 787.61,-1339.11 787.61,-1331.63 796.04,-1331.63 796.04,-1314.78 808.01,-1311.1 808.01,-1331.63 820.79,-1331.63 820.79,-1339.11 808.01,-1339.11 808.01,-1387.11 808.59,-1391.39 810.31,-1394.6 813.16,-1396.61 817.12,-1397.3 820.79,-1396.76 820.79,-1404.38 817.54,-1405.29 813.58,-1405.6 806.42,-1404.41
no net on Top Solder "AntmicroLogo" (solid, pour order 52): 738.24,-1404.91 738.24,-1340.33 744.24,-1338.49 751.16,-1337.88 758.78,-1338.9 763.88,-1341.98 766.73,-1347.12 767.62,-1354.33 767.62,-1404.91 779.58,-1404.91 779.58,-1354.33 777.91,-1344.04 772.76,-1336.49 763.92,-1331.85 751.16,-1330.28 737.85,-1331.69 726.28,-1335.44 726.28,-1404.91
no net on Top Solder "AntmicroLogo" (solid, pour order 58): 1058.77,-1389.93 1061.88,-1395.5 1065.92,-1400.04 1070.91,-1403.43 1076.86,-1405.55 1083.81,-1406.28 1090.75,-1405.55 1096.71,-1403.43 1101.69,-1400.04 1105.73,-1395.5 1108.84,-1389.93 1111.04,-1383.45 1112.34,-1376.16 1112.77,-1368.2 1112.34,-1360.29 1111.04,-1353.04 1108.84,-1346.59 1105.73,-1341.03 1101.7,-1336.5 1096.71,-1333.13 1090.75,-1331.01 1083.81,-1330.28 1076.86,-1331.01 1070.91,-1333.13 1065.92,-1336.5 1061.88,-1341.03 1058.77,-1346.59 1056.58,-1353.04 1055.27,-1360.29 1054.85,-1368.2 1055.27,-1376.16 1056.58,-1383.45
no net on Top Solder "AntmicroLogo" (solid, pour order 55): 942.22,-1404.91 954.18,-1404.91 954.18,-1331.63 942.22,-1331.63
no net on Top Solder "AntmicroLogo" (solid, pour order 57): 1021.73,-1404.91 1021.73,-1335.44 1032.66,-1331.69 1046.74,-1330.28 1050.71,-1330.42 1053.14,-1330.67 1050.42,-1339.65 1046.89,-1338.73 1042.95,-1338.43 1038.06,-1338.87 1033.7,-1340.33 1033.7,-1404.91
GND on Solder Side "Solder Side-No Net" (solid, pour order 14): -1180.1,-1941.83 -1180.1,-1210.5 -1140.73,-1171.13 -1140.73,-45.14 -1180.1,-5.77 -1180.1,105.41 cw(c-1022.62,105.41) -1022.62,262.89 -1022.62,263.38 -440.93,263.38 ccw(c-440.93,487.77) -230.07,411.02 cw(c0.89,300.82) 232.07,410.54 ccw(c442.93,487.28) 442.93,262.89 1024.62,262.89 cw(c1024.62,105.41) 1182.1,105.41 1182.1,-1941.83 cw(c1024.62,-1941.83) 1024.62,-2099.31 -1022.62,-2099.31 cw(c-1022.62,-1941.83)

## Keep-outs
Keep-Out Layer:
  lines w3.94: -1180.59,-1941.83 -1180.1,-1941.83 ; -1022.62,262.89 ccw(c-1022.62,105.41) -1180.1,105.41 -1180.1,-5.77 -1140.73,-45.14 -1140.73,-517.58 -1140.73,-1171.13 -1180.1,-1210.5 -1180.1,-1214.43 -1180.1,-1941.83 ; -1022.62,263.38 -440.93,263.38 ccw(c-440.93,487.77) -230.07,411.02 cw(c0.89,300.82) 232.07,410.54 ccw(c442.93,487.28) 442.93,262.89 1024.62,262.89 cw(c1024.62,105.41) 1182.1,105.41 1182.1,-1941.83 cw(c1024.62,-1941.83) 1024.62,-2099.31 -1022.62,-2099.31 cw(c-1022.62,-1941.83) -1180.1,-1941.83

## Other copper
Solder Side:
  pour cut-out: 900.61,-2119 900.61,-1490.65 ccw(c800.61,-1490.65) 800.61,-1390.65 -804.12,-1390.65 ccw(c-804.12,-1477.27) -890.73,-1477.27 -890.73,-2119

## Silkscreen, mask and mechanical layers (free items; w line width, h text height)
Bottom Paste:
  rectangle: 370,-1773 685,-1552
  rectangle: -668,-1772 -354,-1553
Top Solder:
  drawing of 3508 lines, arcs and shapes, not listed
  text "FE310 RISC-V Badge Rev.1.1 10/2017" at 666.39,-1449.44 h32.51
Mechanical 3:
  drawing of 245 lines, arcs and shapes, not listed
  text "Layer" at 1656,-526 h60
  text "Name" at 2065.91,-526 h60
  text "Material" at 3005.65,-526 h60
  text "Thickness" at 3865.42,-526 h60
  text "Constant" at 4515.26,-526 h60
  text "Board Layer Stack" at 5085.12,-526 h60
  text "1" at 1656,-646 h60
  text "Top Paste" at 2065.91,-646 h60
  text "2" at 1656,-766 h60
  text "Top Overlay" at 2065.91,-766 h60
  text "3" at 1656,-886 h60
  text "Top Solder" at 2065.91,-886 h60
  text "Solder Resist" at 3005.65,-886 h60
  text "0.010mm" at 3865.42,-886 h60
  text "3.5" at 4515.26,-886 h60
  text "4" at 1656,-1006 h60
  text "Component Side" at 2065.91,-1006 h60
  text "Copper" at 3005.65,-1006 h60
  text "0.035mm" at 3865.42,-1006 h60
  text "5" at 1656,-1126 h60
  text "Dielectric 1" at 2065.91,-1126 h60
  text "FR-4" at 3005.65,-1126 h60
  text "1.550mm" at 3865.42,-1126 h60
  text "4.6" at 4515.26,-1126 h60
  text "6" at 1656,-1246 h60
  text "Solder Side" at 2065.91,-1246 h60
  text "Copper" at 3005.65,-1246 h60
  text "0.035mm" at 3865.42,-1246 h60
  text "7" at 1656,-1366 h60
  text "Bottom Solder" at 2065.91,-1366 h60
  text "Solder Resist" at 3005.65,-1366 h60
  text "0.010mm" at 3865.42,-1366 h60
  text "3.5" at 4515.26,-1366 h60
  text "8" at 1656,-1486 h60
  text "Bottom Overlay" at 2065.91,-1486 h60
  text "9" at 1656,-1606 h60
  text "Bottom Paste" at 2065.91,-1606 h60

## Text inside footprints (layer, text, board x,y; h text height)
J1: Bottom Overlay "FPC" at -1034,-691.19 h30 r270; Bottom Overlay "1" at -846,-241 h30 r270